# Altium PCB DDR5_Nucleo_Shield_PCB.PcbDoc (part 1 of 2)
Units mil, origin at the board's own origin, x right, y up, seen from the top; angles counter-clockwise.
Board outline 2755.91 x 5249.61 mil, 4 copper layers (Top Layer, Mid-Layer 1, Mid-Layer 2, Bottom Layer), stack 60.473 mil thick; 129 components, 90 nets, 495 pads, 127 vias.
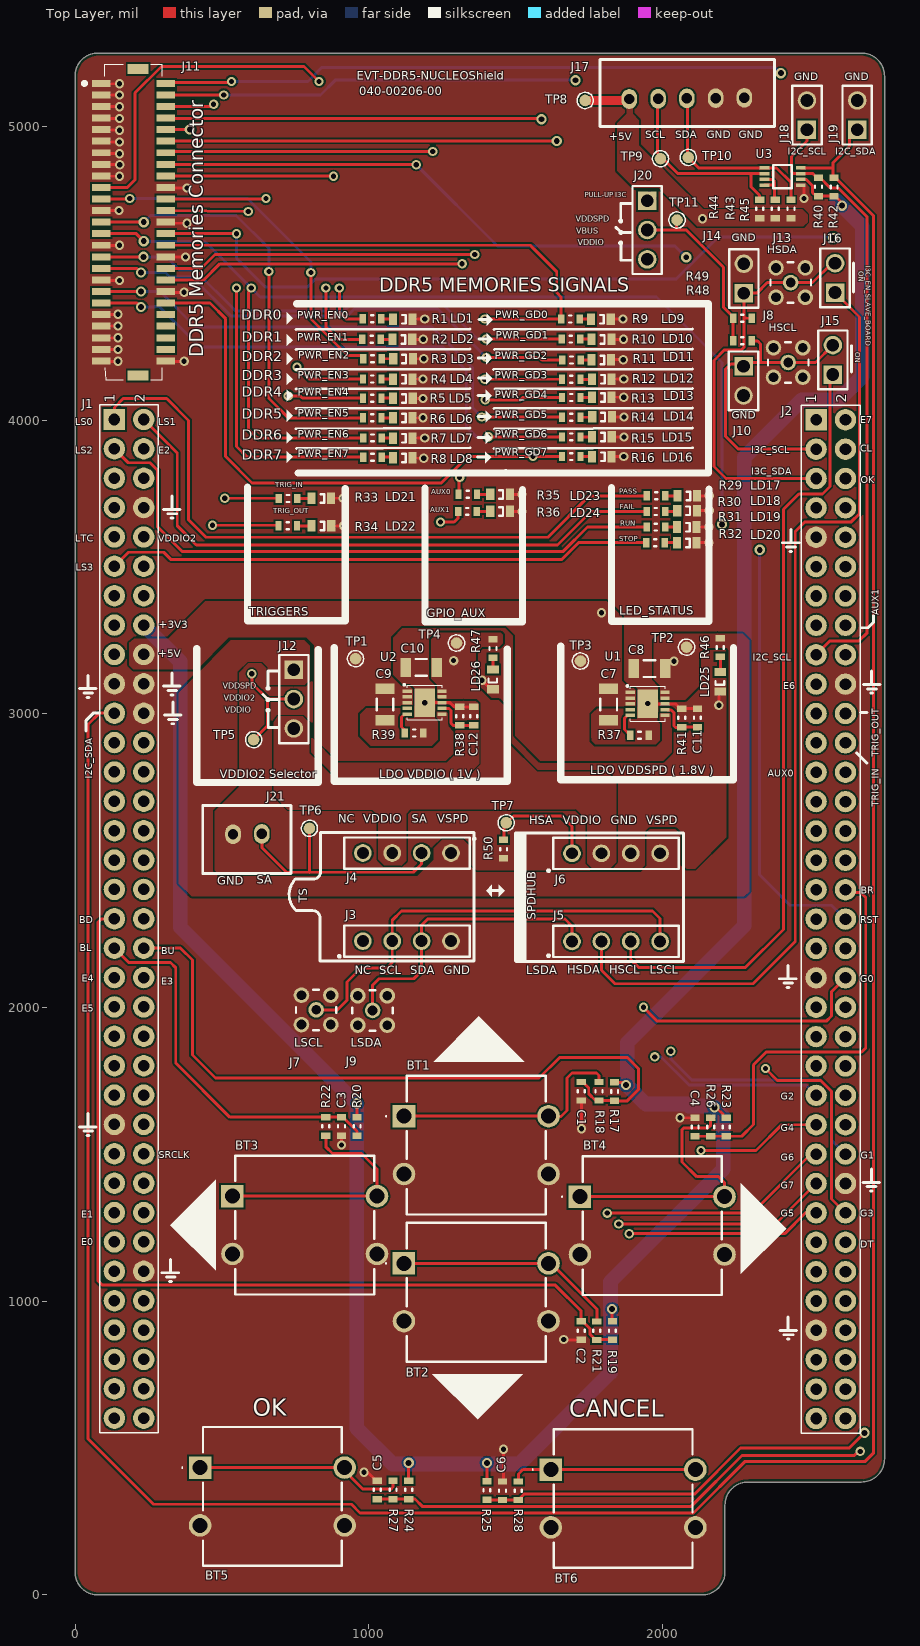
[diagram p0: Top Layer view]
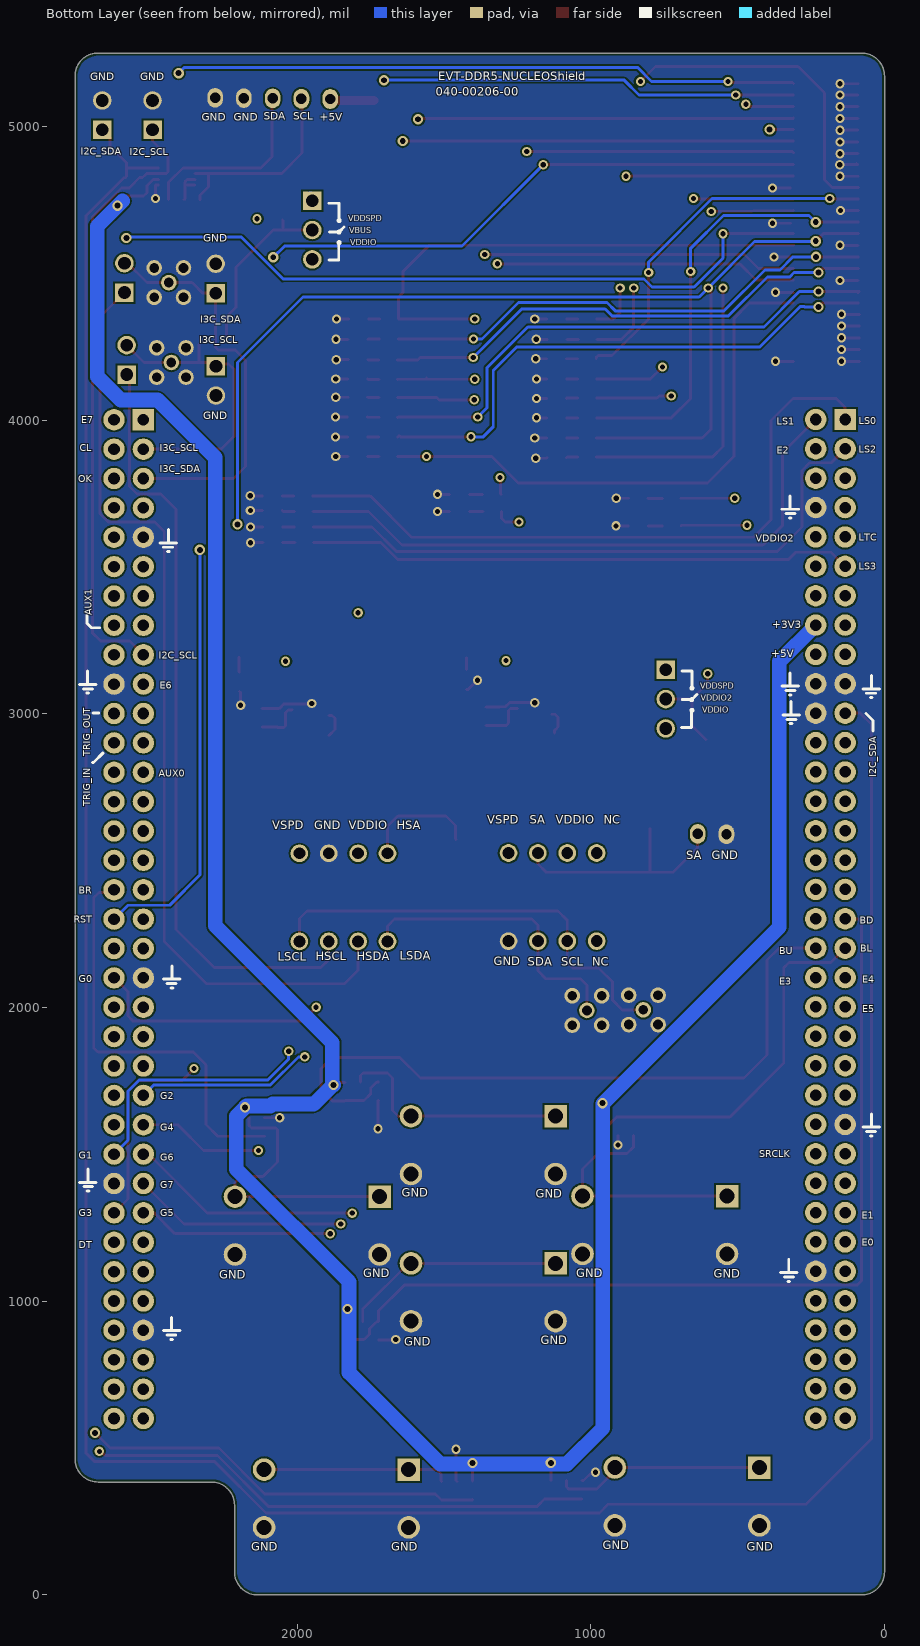
[diagram p1: Bottom Layer view, seen from below]
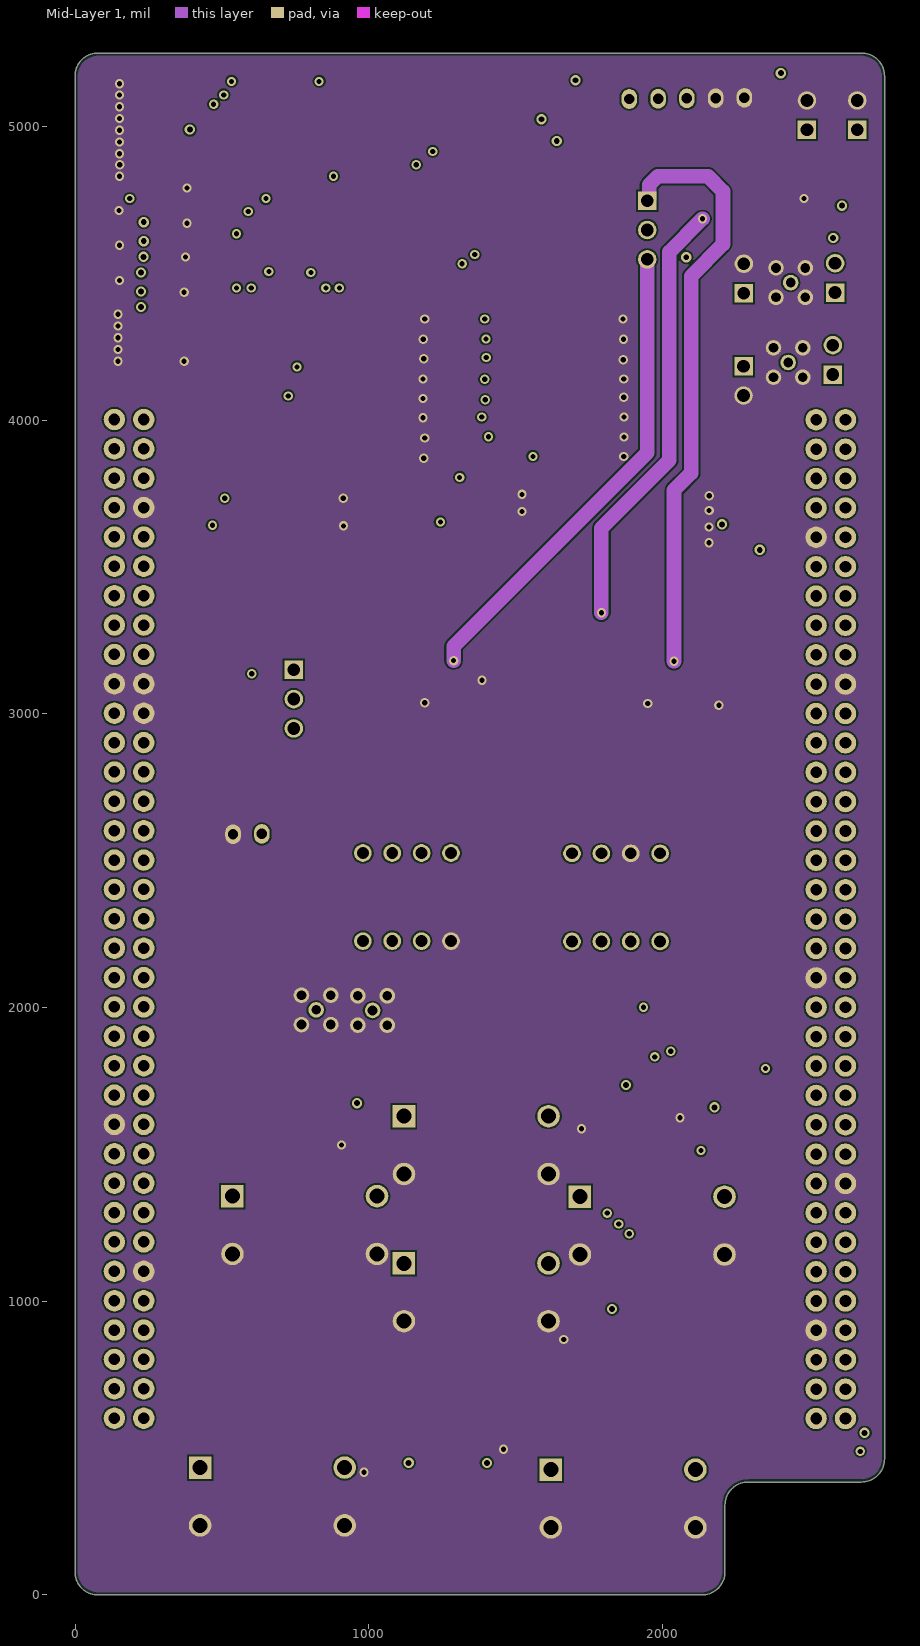
[diagram p2: Mid-Layer 1]
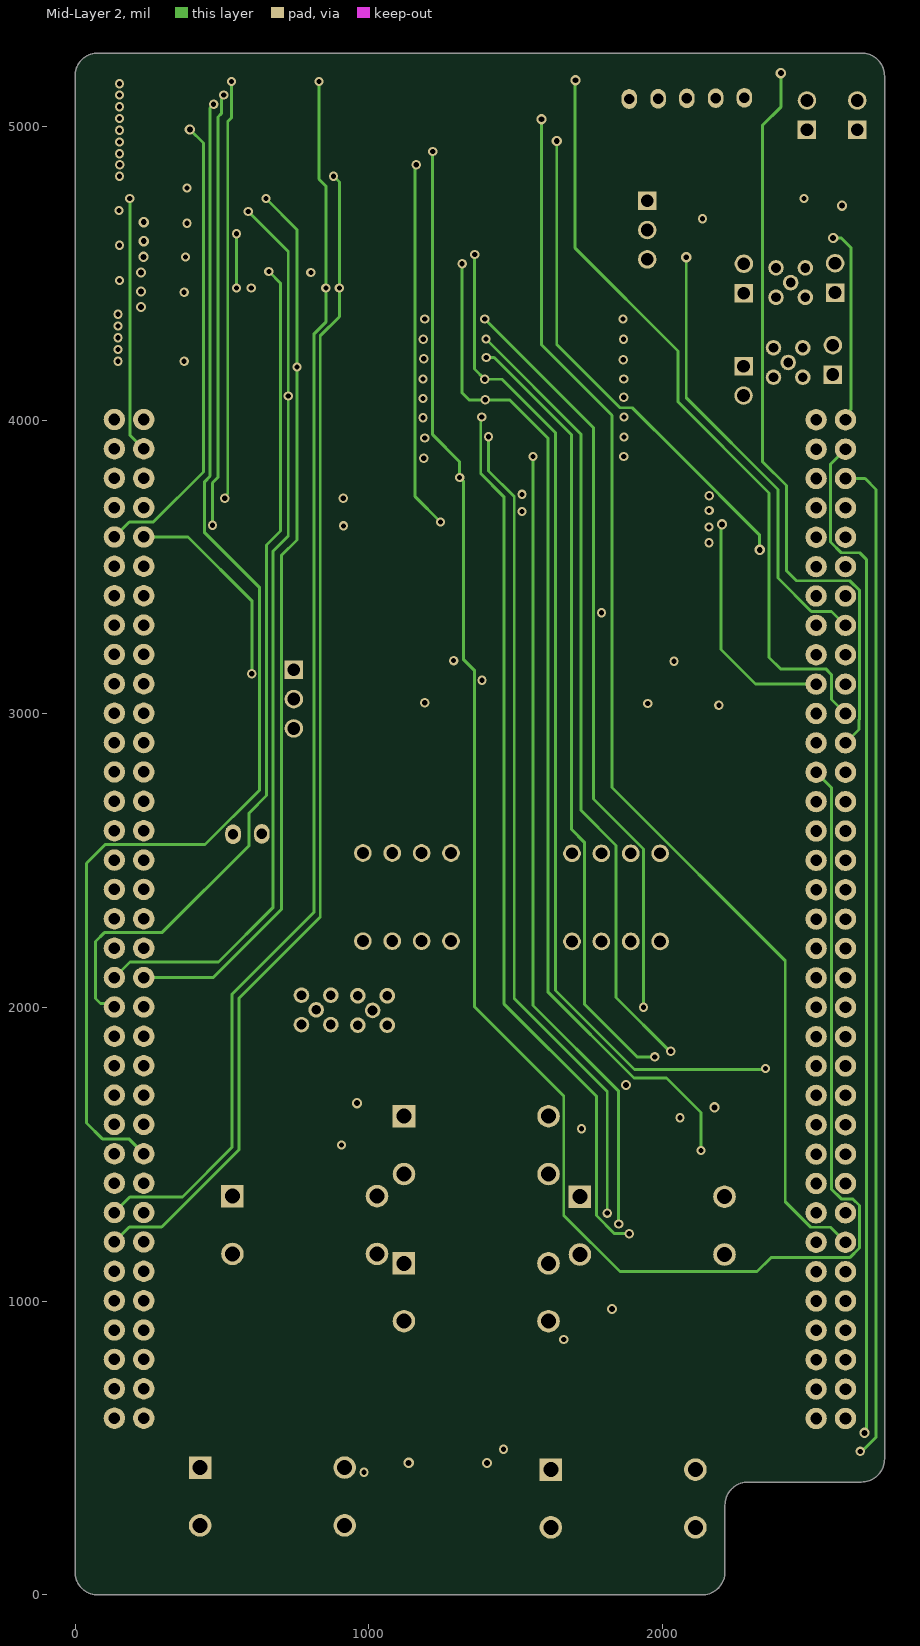
[diagram p3: Mid-Layer 2]

## Layer stack, top to bottom
Top Solder: solder mask 0.4, Solder Resist, Dk 3.5
Top Layer: signal copper 0.7087
Dielectric1: prepreg 14.1732, FR-4, Dk 4.8
Mid-Layer 1: signal copper 1.378
Dielectric2: core 27.9528, FR-4, Dk 4.8
Mid-Layer 2: signal copper 1.378
Dielectric3: prepreg 14.1732, FR-4, Dk 4.8
Bottom Layer: signal copper 0.7087
Bottom Solder: solder mask 0.4, Solder Resist, Dk 3.5

## Board outline
0,78.74 ccw(c78.74,78.74) 78.74,0 1471.21,0 2134,-0.01 ccw(c2134,78.74) 2212.74,78.74 2212.74,305.78 cw(c2291.48,305.78) 2291.48,384.52 2677.17,384.52 ccw(c2677.17,463.26) 2755.91,463.26 2755.91,5170.87 ccw(c2677.17,5170.87) 2677.17,5249.61 78.74,5249.61 ccw(c78.74,5170.87) 0,5170.87

## Design rules (kind name [scope] priority, off if disabled: settings)
BoardOutlineClearance [All] p1: gap=9.84 ignorepadtopadclearanceinfootprint=FALSE except(0: Arc-SplitContinuation Track-SplitContinuation SMDPad-SplitContinuation THPad-SplitContinuation Via-SplitContinuation Fill-SplitContinuation Poly-SplitContinuation Region-SplitContinuation Text-SplitContinuation)
Clearance Clearance-xPP-xTP-xTT [All] p1: gap=5.91 ignorepadtopadclearanceinfootprint=FALSE except(0: Arc-Hole Track-Hole SMDPad-Hole THPad-Hole Via-Hole Fill-Hole Poly-Hole Region-Hole Text-Hole)
ComponentClearance [All] p1: gap=9.84 collisioncheckmode=3 verticalgap=9.84 showdistances=FALSE
DiffPairsRouting [All] p1: maxlimit=9.84 minlimit=9.84 mostfreqgap=9.84 toplayer_minwidth=15 toplayer_maxwidth=15 toplayer_prefwidth=15 midlayer1_minwidth=15 midlayer1_maxwidth=15 midlayer1_prefwidth=15 midlayer2_minwidth=15 midlayer2_maxwidth=15 midlayer2_prefwidth=15 bottomlayer_minwidth=15 bottomlayer_maxwidth=15 bottomlayer_prefwidth=15 maxuncoupledlength=492.13
Height [All] p1: minheight=0 maxheight=984.25 prefheight=492.13
HoleSize HoleSize-PTH [All] p1: absolutevalues=TRUE maxlimit=78.74 minlimit=9.84 maxpercent=80.000 minpercent=20.000
HoleToHoleClearance [All] p1: gap=13.78 allowstackedmicrovias=TRUE
MinimumAnnularRing "Minimum IAR  >0.45mm" [((ObjectKind = 'Pad') OR (ObjectKind = 'Via')) And (Layer = 'MultiLayer') And (HoleDiameter > AsMM(0.45))] p1: minimumring=6.89 // minimum inner annular ring for pads > 0.45mm finished hole size
MinimumAnnularRing "Minimum IAR <=0.45mm" [((ObjectKind = 'Pad') OR (ObjectKind = 'Via')) And (Layer = 'MultiLayer') And (HoleDiameter <= AsMM(0.45))] p2: minimumring=6.89 // minimum inner annular ring for pads <= 0.45mm finished hole size
MinimumSolderMaskSliver [All] p1: minsoldermaskwidth=3.15
PlaneClearance PlaneClearance-IPI [All] p1: clearance=9.84
PlaneConnect [All] p1: planeconnectstyle=Relief reliefexpansion=6.89 reliefentries=4 reliefconductorwidth=7.87 reliefairgap=7.87
PolygonConnect PolygonConnect-xTW [All] p1: connectstyle=Direct reliefconductorwidth=15 reliefentries=4 polygonreliefangle="90 Angle" airgapwidth=15
RoutingCorners [All] p1: cornerstyle=45-Degree minsetback=98.43 maxsetback=98.43
RoutingVias "RoutingVias > 0.45mm" [(ObjectKind = 'Via') And (HoleDiameter > AsMM(0.45))] p1: holewidth=19.68 width=33.46 viastyle="Through Hole" minholewidth=19.68 minwidth=33.46 maxholewidth=35.43 maxwidth=49.21 // finishet hole size > 0.45mm
RoutingVias "RoutingVias <= 0.45mm" [(ObjectKind = 'Via') And (HoleDiameter <= AsMM(0.45))] p2: holewidth=11.81 width=25.59 viastyle="Through Hole" minholewidth=9.84 minwidth=23.62 maxholewidth=17.72 maxwidth=31.5 // finishet hole size <= 0.45mm
SilkToSilkClearance [All] p1: silktosilkclearance=7.87
SilkToSolderMaskClearance SilkscreenOverComponentPads [IsPad] p1: minsilkscreentomaskgap=7.87 clearancetoexposedcopper=TRUE
SolderMaskExpansion [All] p1: expansion=0
UnRoutedNet [All] p1: checkbadconnections=TRUE
Width Width-xTW [All] p1: maxlimit=59.06 minlimit=5.91 preferedwidth=7.87
18 further rules are at their usual default settings.

## Classes and differential pairs
component class Keyboard_Buttons: BT1 BT2 BT3 BT4 BT5 BT6 C1 C2 C3 C4 C5 C6 R17 R18 R19 R20 R21 R22 R23 R24 R25 R26 R27 R28
component class Nucleo_Connector: J1 J2 J8 J10 J13 J14 J15 J16 R48 R49
component class DDR5_System_Connector: J11
component class Power_Supply: 30 C7 C8 C9 C10 C11 C12 LD25 LD26 R37 R38 R39 R41 R46 R47 TP1 TP2 TP3 TP4 U1 U2
component class I3C_and_I2C_Slaves: J3 J4 J5 J6 J7 J9 J12 J17 J18 J19 J20 J21 R40 R42 R43 R44 R45 R50 TP5 TP6 TP7 TP8 TP9 TP10 TP11 U3
component class Peripherals: LD1 LD2 LD3 LD4 LD5 LD6 LD7 LD8 LD9 LD10 LD11 LD12 LD13 LD14 LD15 LD16 LD17 LD18 LD19 LD20 LD21 LD22 LD23 LD24 R1 R2 R3 R4 R5 R6 R7 R8 R9 R10 R11 R12 R13 R14 R15 R16 R29 R30 R31 R32 R33 R34 R35 R36

## Components (designator, comment, footprint, x,y, rotation, side; value= is the part's Value field where it differs from the comment)
BT1 "TS14-1212-60-BK-260-SCR-D" TS14121260BK260SCRD 1120,1630 r0 top locked
BT2 "TS14-1212-60-BK-260-SCR-D" TS14121260BK260SCRD 1119.87,1129 r0 top locked
BT3 "TS14-1212-60-BK-260-SCR-D" TS14121260BK260SCRD 536,1357.97 r0 top locked
BT4 "TS14-1212-60-BK-260-SCR-D" TS14121260BK260SCRD 1719,1356 r0 top locked
BT5 "TS14-1212-60-BK-260-SCR-D" TS14121260BK260SCRD 426,433.85 r0 top locked
BT6 "TS14-1212-60-BK-260-SCR-D" TS14121260BK260SCRD 1619.87,427 r0 top locked
C1 "100 nF" "CC/NM 0603" 1723.36,1715 r90 top
C2 "100 nF" "CC/NM 0603" 1723.23,900 r90 top
C3 "100 nF" "CC/NM 0603" 907.16,1595.18 r90 top
C4 "100 nF" "CC/NM 0603" 2111,1593.21 r270 top
C5 "100 nF" "CC/NM 0603" 1029.36,358 r270 top
C6 "100 nF" "CC/NM 0603" 1455.48,355 r270 top
C7 "47uF 16V" "CC/NM 1206" 1816.8,3031.85 r90 top
C8 "10uF 25V" "CC/NM 1206" 1955.85,3154 r0 top
C9 "47uF 16V" "CC/NM 1206" 1055.43,3031.85 r90 top
C10 "10uF 25V" "CC/NM 1206" 1178.68,3158 r0 top
C11 "470 nF 25V" "CC/NM 0603" 2119,2986 r270 top
C12 "470 nF 25V" "CC/NM 0603" 1357.43,2992 r270 top
J1 "TSW-135-07-G-D" CON_SAMTEC_TSW-135-07-X-D 184,2302 r270 top locked
J2 "TSW-135-07-G-D" CON_SAMTEC_TSW-135-07-X-D 2573.06,2300.97 r270 top locked
J3 "61300411821" 61300411821 1130,2226 r0 top
J4 "61300411821" 61300411821 1130,2526 r180 top
J5 "61300411821" 61300411821 1842,2225 r0 top
J6 "61300411821" 61300411821 1842,2525 r0 top
J7 "MMCX-J-P-H-ST-TH1" SAMTEC_MMCX-J-P-H-ST-TH1 821,1992 r0 top
J8 "MMCX-J-P-H-ST-TH1" SAMTEC_MMCX-J-P-H-ST-TH1 2428,4196 r0 top
J9 "MMCX-J-P-H-ST-TH1" SAMTEC_MMCX-J-P-H-ST-TH1 1013,1990 r0 top
J10 "TSW-102-07-F-S" HEADER/VERT/1X2/M/P2.54 2276,4183.56 r270 top
J11 "BM50B-SRDS-G-TF(LF)(SN)" BM50BSRDSGTFLFSN 199.24,4673.8 r270 top locked
J12 "TSW-103-07-F-S" HEADER/VERT/1X3/M/P2.54 744.93,3150 r270 top
J13 "MMCX-J-P-H-ST-TH1" SAMTEC_MMCX-J-P-H-ST-TH1 2436.48,4468 r0 top
J14 "TSW-102-07-F-S" HEADER/VERT/1X2/M/P2.54 2277,4432 r90 top
J15 "TSW-102-07-F-S" HEADER/VERT/1X2/M/P2.54 2580,4155 r90 top
J16 "TSW-102-07-F-S" HEADER/VERT/1X2/M/P2.54 2587.67,4434 r90 top
J17 "B5B-XH-A(LF)(SN)" JST_XH_5V 2083,5095 r0 top
J18 "TSW-102-07-F-S" HEADER/VERT/1X2/M/P2.54 2492,4988 r90 top
J19 "TSW-102-07-F-S" HEADER/VERT/1X2/M/P2.54 2663,4988 r90 top
J20 "TSW-103-07-F-S" HEADER/VERT/1X3/M/P2.54 1948,4747 r270 top
J21 "B2B-XH-A (LF)(SN)" JST_XH_2V 587,2590.5 r180 top
LD1 "APHD1608LCGCK" LED/0603/GREEN 1115.96,4343.62 r0 top
LD2 "APHD1608LCGCK" LED/0603/GREEN 1114.63,4274.84 r0 top
LD3 "APHD1608LCGCK" LED/0603/GREEN 1116.96,4208.62 r0 top
LD4 "APHD1608LCGCK" LED/0603/GREEN 1115.96,4139.62 r0 top
LD5 "APHD1608LCGCK" LED/0603/GREEN 1116.5,4073.62 r0 top
LD6 "APHD1608LCGCK" LED/0603/GREEN 1115.96,4007.62 r0 top
LD7 "APHD1608LCGCK" LED/0603/GREEN 1115.96,3938.62 r0 top
LD8 "APHD1608LCGCK" LED/0603/GREEN 1115.96,3871.62 r0 top
LD9 "APHD1608LCGCK" LED/0603/GREEN 1790.54,4343.81 r0 top
LD10 "APHD1608LCGCK" LED/0603/GREEN 1792.33,4274.84 r0 top
LD11 "APHD1608LCGCK" LED/0603/GREEN 1791.54,4205.64 r0 top
LD12 "APHD1608LCGCK" LED/0603/GREEN 1793.33,4139.64 r0 top
LD13 "APHD1608LCGCK" LED/0603/GREEN 1793.33,4077.64 r0 top
LD14 "APHD1608LCGCK" LED/0603/GREEN 1794.33,4010.64 r0 top
LD15 "APHD1608LCGCK" LED/0603/GREEN 1793.87,3942.64 r0 top
LD16 "APHD1608LCGCK" LED/0603/GREEN 1793.4,3875.64 r0 top
LD17 "APHD1608LCGCK" LED/0603/GREEN 2084.46,3742 r0 top
LD18 "APHD1608LCGCK" LED/0603/GREEN 2083.83,3691.78 r0 top
LD19 "APHD1608LCGCK" LED/0603/GREEN 2083,3636 r0 top
LD20 "APHD1608LCGCK" LED/0603/GREEN 2083,3582.52 r0 top
LD21 "APHD1608LCGCK" LED/0603/GREEN 838.46,3733.8 r0 top
LD22 "APHD1608LCGCK" LED/0603/GREEN 838.96,3639.8 r0 top
LD23 "APHD1608LCGCK" LED/0603/GREEN 1447,3747 r0 top
LD24 "APHD1608LCGCK" LED/0603/GREEN 1447,3689 r0 top
LD25 "APHD1608LCGCK" LED/0603/GREEN 2196,3109 r270 top
LD26 "APHD1608LCGCK" LED/0603/GREEN 1423,3116.88 r270 top
R1 "680R 1%" "CC/NM 0603" 1011.5,4344.62 r0 top
R2 "680R 1%" "CC/NM 0603" 1009.67,4274.84 r0 top
R3 "680R 1%" "CC/NM 0603" 1012.94,4208.62 r0 top
R4 "680R 1%" "CC/NM 0603" 1011.99,4139.62 r0 top
R5 "680R 1%" "CC/NM 0603" 1012,4074.62 r0 top
R6 "680R 1%" "CC/NM 0603" 1011.99,4007.62 r0 top
R7 "680R 1%" "CC/NM 0603" 1012.94,3939.13 r0 top
R8 "680R 1%" "CC/NM 0603" 1012.94,3873.62 r0 top
R9 "680R 1%" "CC/NM 0603" 1686.46,4344.05 r0 top
R10 "680R 1%" "CC/NM 0603" 1687.99,4275.62 r0 top
R11 "680R 1%" "CC/NM 0603" 1690.4,4204.64 r0 top
R12 "680R 1%" "CC/NM 0603" 1689.37,4138.64 r0 top
R13 "680R 1%" "CC/NM 0603" 1689.37,4076.64 r0 top
R14 "680R 1%" "CC/NM 0603" 1689.37,4009.64 r0 top
R15 "680R 1%" "CC/NM 0603" 1689.37,3942.64 r0 top
R16 "680R 1%" "CC/NM 0603" 1689.37,3875.64 r0 top
R17 "10K 1%" "CC/NM 0603" 1837,1714 r90 top
R18 "1K 1%" "CC/NM 0603" 1783.84,1715 r270 top
R19 "10K 1%" "CC/NM 0603" 1829.55,900 r90 top
R20 "10K 1%" "CC/NM 0603" 960.32,1595.18 r90 top
R21 "1K 1%" "CC/NM 0603" 1776.39,899.5 r270 top
R22 "1K 1%" "CC/NM 0603" 854,1595.18 r90 top
R23 "10K 1%" "CC/NM 0603" 2217.32,1593.21 r90 top
R24 "10K 1%" "CC/NM 0603" 1136,358 r90 top
R25 "10K 1%" "CC/NM 0603" 1402.32,356 r90 top
R26 "1K 1%" "CC/NM 0603" 2164.16,1593.21 r270 top
R27 "1K 1%" "CC/NM 0603" 1082.84,358 r270 top
R28 "1K 1%" "CC/NM 0603" 1508.64,355 r270 top
R29 "680R 1%" "CC/NM 0603" 1978.5,3742 r0 top
R30 "680R 1%" "CC/NM 0603" 1977.5,3688.84 r0 top
R31 "680R 1%" "CC/NM 0603" 1977.5,3635.68 r0 top
R32 "680R 1%" "CC/NM 0603" 1976,3582.52 r0 top
R33 "680R 1%" "CC/NM 0603" 725,3732.8 r0 top
R34 "680R 1%" "CC/NM 0603" 724.5,3639.8 r0 top
R35 "680R 1%" "CC/NM 0603" 1337.14,3747 r0 top
R36 "680R 1%" "CC/NM 0603" 1336,3689 r0 top
R37 "1K 0.1%" "CC/NM 0603" 1922,2927 r180 top
R38 "10K 0.1%" "CC/NM 0603" 1309.43,2991.91 r270 top
R39 "1K 0.1%" "CC/NM 0603" 1154.43,2934.55 r180 top
R40 "1K 1%" "CC/NM 0603" 2531.07,4794 r270 top
R41 "18K 0.1%" "CC/NM 0603" 2065.84,2986 r270 top
R42 "1K 1%" "CC/NM 0603" 2584.23,4793.5 r270 top
R43 "200k 1%" "CC/NM 0603" 2384.36,4718.8 r270 top
R44 "1K 1%" "CC/NM 0603" 2331.2,4718.8 r270 top
R45 "1K 1%" "CC/NM 0603" 2437.52,4718.8 r270 top
R46 "680R 1%" "CC/NM 0603" 2197,3225.5 r270 top
R47 "680R 1%" "CC/NM 0603" 1423,3222.21 r270 top
R48 "10K 0.1%" "CC/NM 0603" 2272,4270 r180 top
R49 "10K 0.1%" "CC/NM 0603" 2272,4346.56 r180 top
R50 "10K 1%" "CC/NM 0603" 1459,2539.23 r90 top
TP1 "Test Point" TP_SMD_1MM 955,3187.71 r0 top
TP2 "Test Point" TP_SMD_1MM 2082,3227 r90 top
TP3 "Test Point" TP_SMD_1MM 1720.87,3179.63 r90 top
TP4 "Test Point" TP_SMD_1MM 1298.86,3241 r90 top
TP5 "Test Point" TP_SMD_1MM 608,2912 r90 top
TP6 "Test Point" TP_SMD_1MM 798,2610 r90 top
TP7 "Test Point" TP_SMD_1MM 1468,2629 r180 top
TP8 "Test Point" TP_SMD_1MM 1737,5088 r90 top
TP9 "Test Point" TP_SMD_1MM 1993,4890 r90 top
TP10 "Test Point" TP_SMD_1MM 2088,4894 r90 top
TP11 "Test Point" TP_SMD_1MM 2049.54,4681 r90 top
U1 "LT3045MPDD#PBF" SON50P300X300X80-11N 1949.69,3033.91 r0 top
U2 "LT3045MPDD#PBF" SON50P300X300X80-11N 1190.43,3037.91 r0 top
U3 "TCA39306DCURQ1" SOP50P310X90-8N 2409,4829.05 r180 top
